# Altium PCB DI543.PcbDoc (part 2 of 8) (continued)
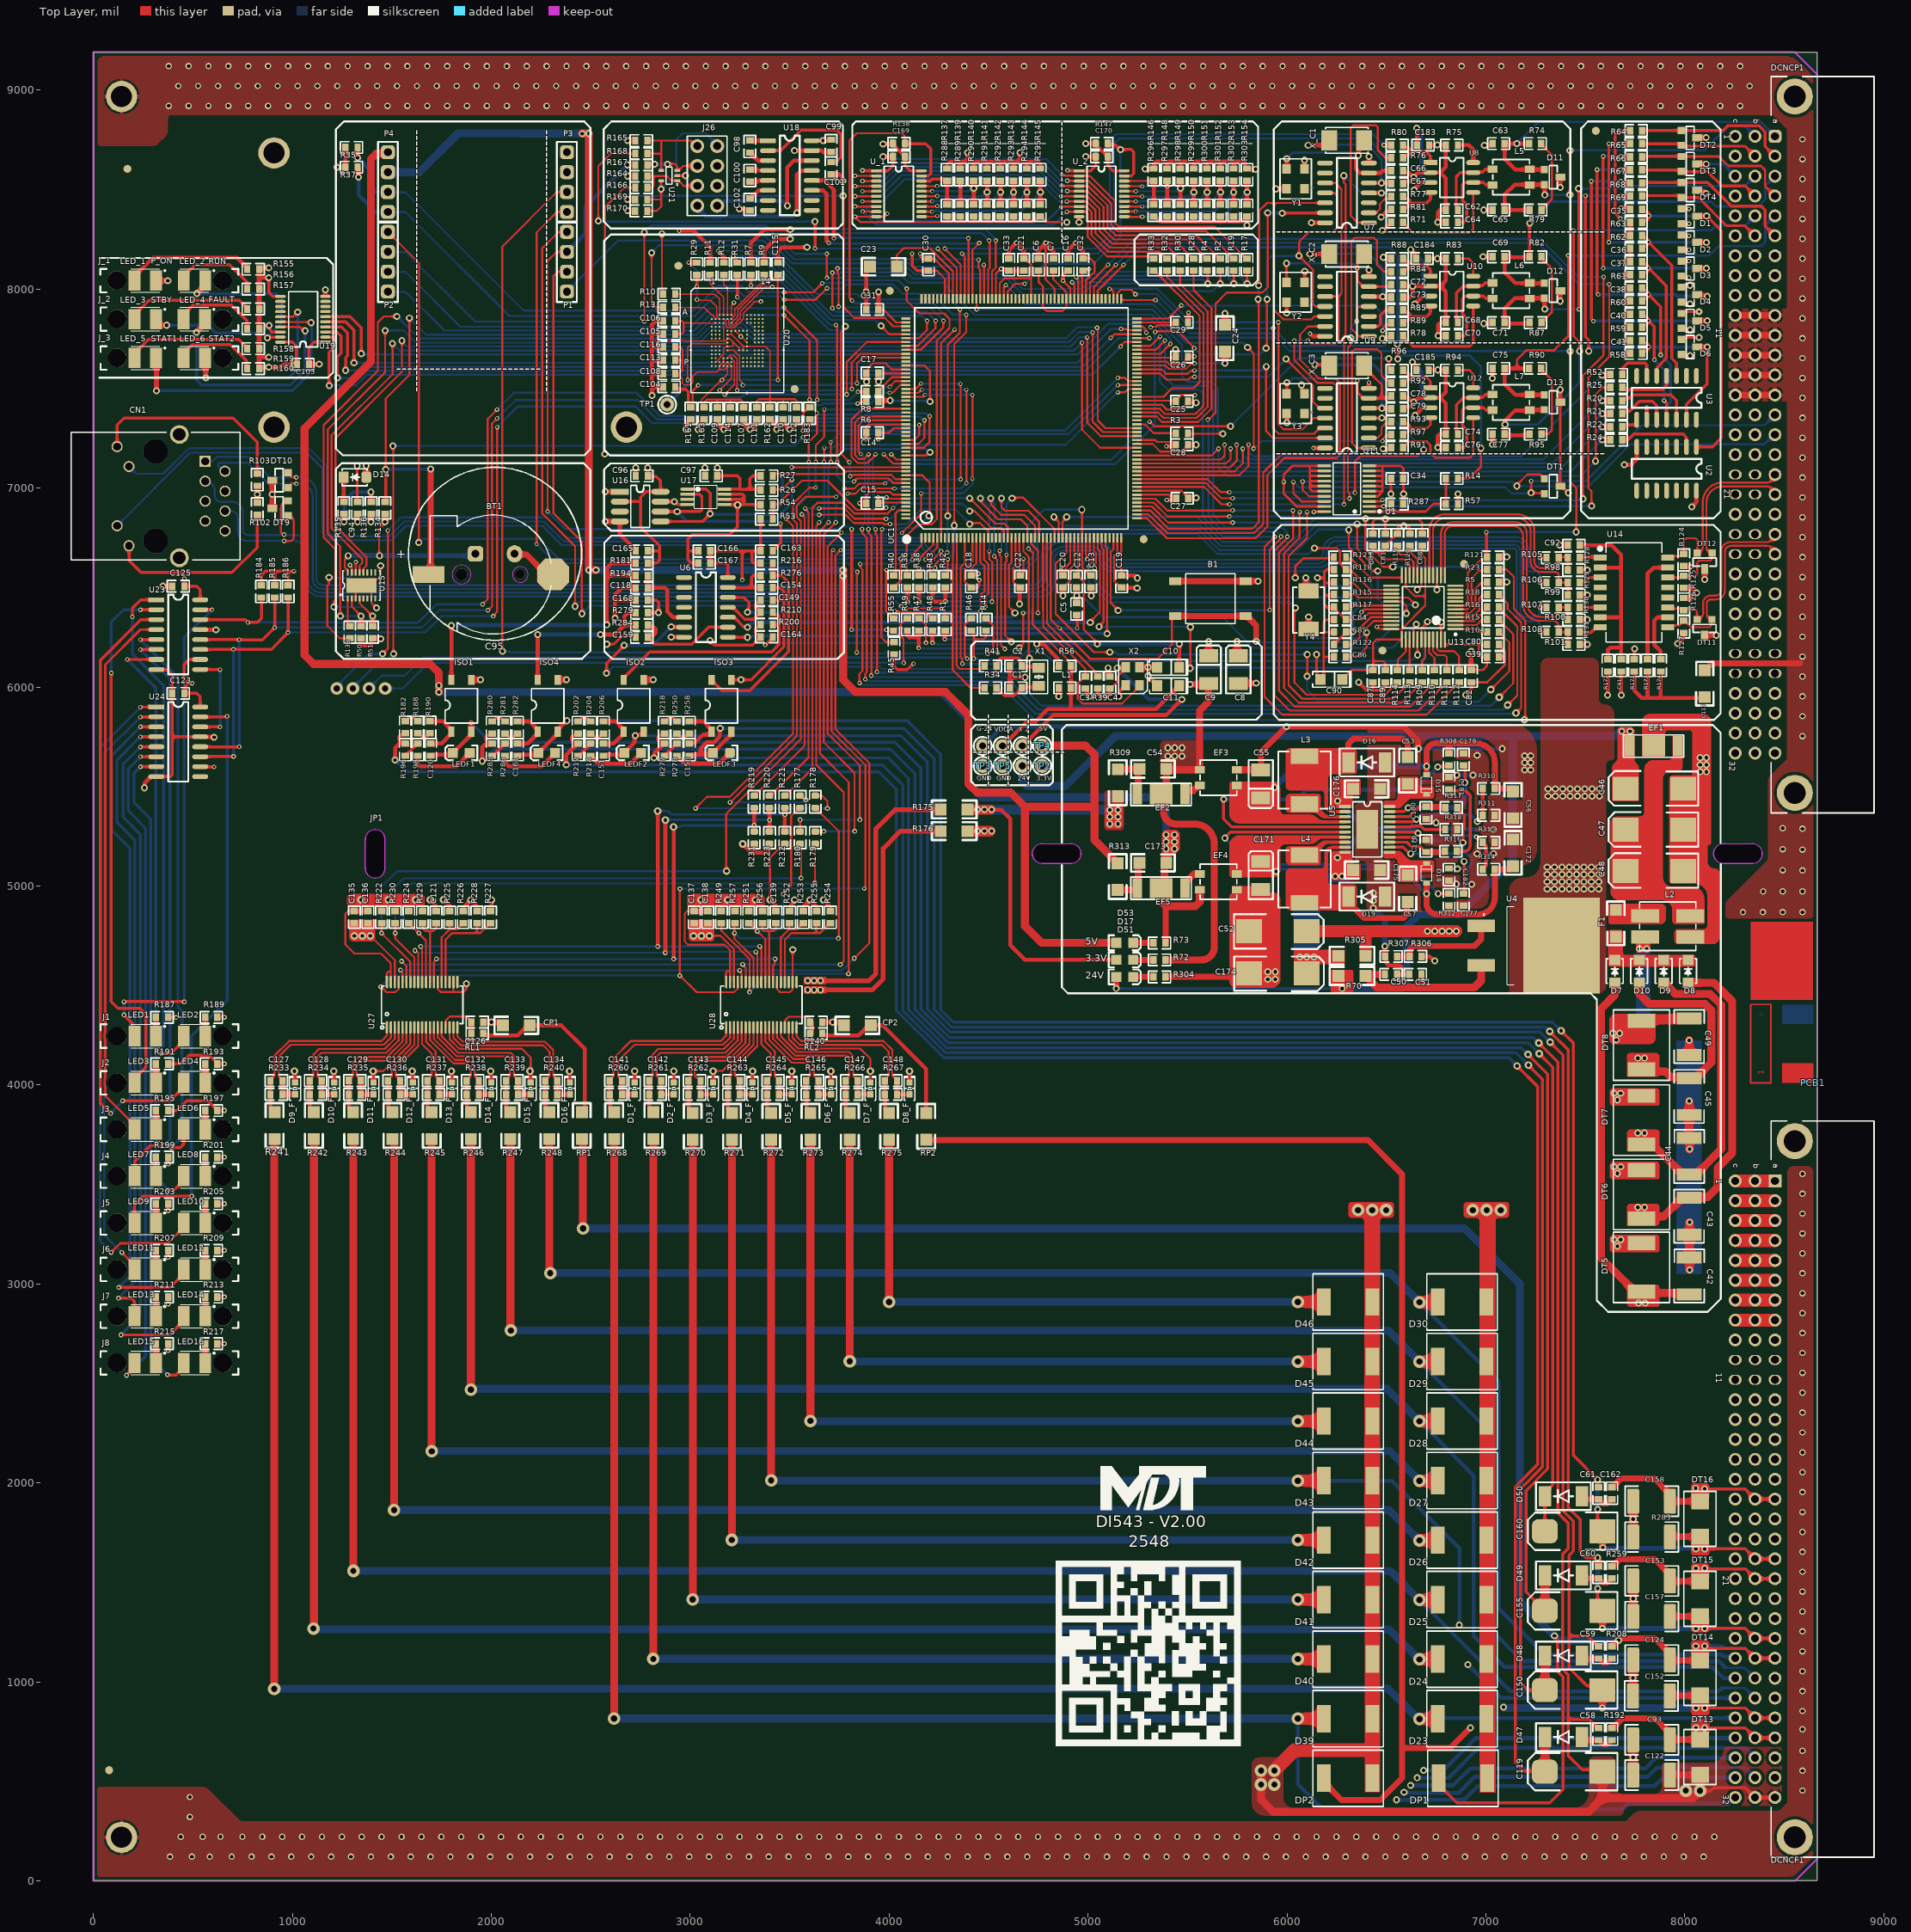
[diagram p0: Top Layer view]
## Footprints (in the part's own frame and the unit in brackets; to place one, negate y for a bottom-side part, rotate by r counter-clockwise, add the part's x,y. Pads: shape width x height; smd on the part's side, far side on the other; paste and mask are expansions set on the pad) (continued)
SO14 [mil]
  oval 80x24 smd: 1(0.42,-0.47) 2(0.42,-50.47) 3(0.42,-100.47) 4(0.42,-150.47) 5(0.42,-200.47) 6(0.42,-250.47) 7(0.42,-300.47) 8(220.42,-300.47) 9(220.42,-250.47) 10(220.42,-200.47) 11(220.42,-150.47) 12(220.42,-100.47) 13(220.42,-50.47) 14(220.42,-0.47)
  silkscreen extent 60,-325 160,25, body extent -10,-323 232,19, height 70
SO16 [mil]
  rect 80x24 smd: 1(-0.22,0.21)
  oval 80x24 smd: 2(-0.22,-49.79) 3(-0.22,-99.79) 4(-0.22,-149.79) 5(-0.22,-199.79) 6(-0.22,-249.79) 7(-0.22,-299.79) 8(-0.22,-349.79) 9(219.78,-349.79) 10(219.78,-299.79) 11(219.78,-249.79) 12(219.78,-199.79) 13(219.78,-149.79) 14(219.78,-99.79) 15(219.78,-49.79) 16(219.78,0.21)
  silkscreen extent 60,-375 160,25, body extent -10,-371 222,22, height 57
SOD-323F [mm]
  rect 0.63x0.83 smd: A(0,0) K(2.5,0)
  silkscreen extent 0.3,-0.7 2.2,0.7, body extent -0.01,-0.7 2.49,0.65, height 1
SOIC8 [mil]
  rect 70x25 smd: 1(0,0)
  oval 70x25 smd: 2(0,-50) 3(0,-100) 4(0,-150) 5(215,-150) 6(215,-100) 7(215,-50) 8(215,0)
  silkscreen extent 48,-174 167,24, body extent -10,-173 228,20, height 59
SON_131TFY_NXP [mil]
  rect 32x10 smd paste+0 mask+0: 1(-65,68.91) 2(-65,49.23) 3(-65,29.54) 4(-65,9.85) 5(-65,-9.85) 6(-65,-29.54) 7(-65,-49.22) 8(-65,-68.91) 9(65,-68.91) 10(65,-49.22) 12(65,-9.85) 13(65,9.85) 14(65,29.54) 15(65,49.23)
  rrect50% 32x10 smd paste+0 mask+0: 11(65,-29.54) 16(65,68.91)
  rect 75x152 smd paste+0 mask+0: 17(0,0)
  silkscreen extent -74,-94 74,109, body extent -69,-89 69,89, height 59
SOT23 [mil]
  rect 36x36 smd: 1(0,0) 2(0,-75)
  rect 50x36 smd: 3(80,-37.5)
  silkscreen extent 25,-96 65,20, body extent -9,-99 89,19, height 41
SOT-353 [mm]
  rect 0.7x0.35 smd mask+0.051: 1(0,0) 2(0,-0.65) 3(0,-1.3) 4(2.05,-1.3) 5(2.05,0)
  silkscreen extent -0.11,-1.75 1.41,0.62, body extent -0.18,-1.75 2.22,0.45, height 1.1
SSOP38 [mm]
  oval 1.6x0.3 smd mask+0.075: 1(-2.9,4.5) 2(-2.9,4) 3(-2.9,3.5) 4(-2.9,3) 5(-2.9,2.5) 6(-2.9,2) 7(-2.9,1.5) 8(-2.9,1) 9(-2.9,0.5) 10(-2.9,0) 11(-2.9,-0.5) 12(-2.9,-1) 13(-2.9,-1.5) 14(-2.9,-2) 15(-2.9,-2.5) 16(-2.9,-3) 17(-2.9,-3.5) 18(-2.9,-4) 19(-2.9,-4.5) 20(2.9,-4.5) 21(2.9,-4) 22(2.9,-3.5) 23(2.9,-3) 24(2.9,-2.5) 25(2.9,-2) 26(2.9,-1.5) 27(2.9,-1) 28(2.9,-0.5) 29(2.9,0) 30(2.9,0.5) 31(2.9,1) 32(2.9,1.5) 33(2.9,2) 34(2.9,2.5) 35(2.9,3) 36(2.9,3.5) 37(2.9,4) 38(2.9,4.5)
  silkscreen extent -3.1,-5.2 2.4,5.3, body extent -3.21,-4.85 3.21,4.85, height 1.2
"SUPER CAP TH D20.00mm S5.00mm H6.00mm" [mm]
  rrect50% 2x2 hole 1: 1(2.5,0)
  oval 2x2.2 hole 1: 2(-2.5,0)
  silkscreen extent -11.05,-11.05 11.05,11.05, body extent -10.57,-10.49 10.22,10.3, height 7.5
"TANTAL 1206" [mm] "TANTAL1206"
  rect 1.3x1.4 smd: 1(-0.073,0.008) 2(2.737,0.008)
  silkscreen extent -1.16,-0.99 3.74,1.01, body extent -0.38,-0.84 3.05,0.86, height 1.7
"TEST Point Orange" [mm] "TEST Point Orange"
  round 1.8 hole 0.9: 1(3.81,-3.175)
  silkscreen extent 2.67,-4.32 4.95,-2.04, body extent 2.54,-4.44 5.08,-1.9, height 4.57
"TEST Point RED"#1 [mm] "TEST Point RED"
  round 1.8 hole 0.9: 1(3.81,-3.175)
  silkscreen extent 2.67,-4.32 4.95,-2.04, body extent 2.51,-4.43 5.05,-1.89, height 4.89
"TEST Point RED"#2 [mm] "TEST Point RED"
  oval 1.7x1.8 hole 0.9: 1(3.81,-3.175)
  silkscreen extent 2.67,-4.32 4.95,-2.04
"TEST Point Yellow"#1 [mm] "TEST Point Yellow"
  round 1.8 hole 0.9: 1(3.81,-3.175)
  silkscreen extent 2.67,-4.32 4.95,-2.04
"TEST Point Yellow"#2 [mm] "TEST Point Yellow"
  oval 1.7x1.8 hole 0.9: 1(3.81,-3.175)
  silkscreen extent 2.67,-4.32 4.95,-2.03, body extent 2.54,-4.44 5.08,-1.9, height 4.57
TSSOP20 [mm]
  rect 1.35x0.4 smd: 1(0,0)
  oval 1.35x0.4 smd: 2(0,-0.65) 3(0,-1.3) 4(0,-1.95) 5(0,-2.6) 6(0,-3.25) 7(0,-3.9) 8(0,-4.55) 9(0,-5.2) 10(0,-5.85) 11(5.75,-5.85) 12(5.75,-5.2) 13(5.75,-4.55) 14(5.75,-3.9) 15(5.75,-3.25) 16(5.75,-2.6) 17(5.75,-1.95) 18(5.75,-1.3) 19(5.75,-0.65) 20(5.75,0)
  silkscreen extent 1,-6.45 4.7,0.6, body extent -0.38,-6.2 6.02,0.3, height 1.2
TSSOP20-21 [mm]
  rect 1.5x0.4 smd: 1(0,0)
  oval 1.5x0.4 smd: 2(0,-0.65) 3(0,-1.3) 4(0,-1.95) 5(0,-2.6) 6(0,-3.25) 7(0,-3.9) 8(0,-4.55) 9(0,-5.2) 10(0,-5.85) 11(5.7,-5.85) 12(5.7,-5.2) 13(5.7,-4.55) 14(5.7,-3.9) 15(5.7,-3.25) 16(5.7,-2.6) 17(5.7,-1.95) 18(5.7,-1.3) 19(5.7,-0.65) 20(5.7,0)
  rect 2.74x4.95 smd: 21(2.845,-2.921)
  silkscreen extent 1,-6.45 4.7,0.6, body extent -0.36,-6.17 6.04,0.33, height 1.2
"Xtal 32.78" [mil] "Xtal 32.78"
  rect 51x63 smd: 1(-46.28,1) 2(44.28,1)
  silkscreen extent -86,-44 84,46, body extent -58,-27 68,32, height 35

## Part data
24V G-24 TP1: library part 10020359, "PCB Test Piont, Yellow", Manufacturer="Keystone Electronics", PartNumber=5009, Notes=NP, SAPCode=10020359, Type=DIP
B1: library part 10018008, "Pushbutton 50mA F065 4.3mm Gull Wing", Manufcturer=E-Switch, PartNumber=LL3301NF065QG, SAPCode=10018008, Type=SMD
BT1: library part 10018009, "SMT COIN CELL HOLDER CR1220", Manufacturer=Harwin, PartNumber=S8411-45R, SAPCode=10018009, Type=SMD
C1 C2: library part 10008959, "Capacitor, Ceramic, 1pF,50V", Manufacturer="Murata Manufacturing Company, Ltd.", Package=0603, PartNumber=GRM1885C1H1R0CZ01D, SAPCode=10008959, Type=SMD
C3 C4: library part 10018011, "Ceramic Capacitors, 0603 5.6pF 250V", Manufacturer="Murata Manufacturing Company, Ltd.", Package=0603, PartNumber=GQM1875C2E5R6CB12D, SAPCode=10018011, Type=SMD
C5 C7 C12 C13 C14 C15 C16 C17 C18 C19 C20 C21 C22 C25 C26 C27 C28 C29 C30 C31 C32 C33 C34 C35 C36 C37 C38 C39 C40 C41 C50 C51 C58 C59 C60 C61 C80 C81 C82 C83 C84 C87 C88 C89 C94 C96 C97 C98 C99 C100 C101 C102 C106 C107 C108 C109 C111 C112 C114 C115 C116 C120 C121 C123 C125 C127 C128 C129 C130 C131 C132 C133 C134 C136 C138 C139 C141 C142 C143 C144 C145 C146 C147 C148 C151 C156 C161 C163 C164 C165 C166 C167 C168 C169 C170: library part 10008932, "Capacitor, Ceramic, 100nF, 50V", Manufacturer="Murata Manufacturing Company, Ltd.", Package=0603, PartNumber=GRM188R71H104KA93D, SAPCode=10008932, Type=SMD
C6: library part 10024198, "Capacitor, Ceramic, SMD 0603 50Vdc 2.2uF 10%", Manufacturer="Murata Manufacturing Company, Ltd.", Package=0603, PartNumber=GRT188R61H225KE13D, SAPCode=10024198, Type=SMD
C8 C9: library part 10010245, "Capacitor, Tantalum, 4.7uF, 35V", Manufacturer="AVX Corporation", Package=1210(3528-21), PartNumber=TPSB475K035R0700, SAPCode=10010245, Type=SMD
C10 C11: library part 10017062, "Capacitor, SMD, 1uF,1206,TANTAL", Manufacturer="KEMET Corporation", Package=1206, PartNumber=T491A104K035AT, SAPCode=10017062, Type=SMD
C23 C24: library part 10008963, "Capacitor, Ceramic, 2.2uF, 25V", Manufacturer="TDK U.S.A. Corporation", Package=1206, PartNumber=C3216X7R1E225K, SAPCode=10008963, Type=SMD
C42 C43 C44 C45 C49 C93 C122 C124 C152 C153 C157 C158 C162: library part 10008971, "Capacitor, Ceramic, 4.7nF, 2KV", Manufacturer="Johanson Dielectrics", Package=1812, PartNumber=202S43W472KV4E, SAPCode=10008971, Type=SMD
C46 C47: library part 10008985, "Capacitor, Tantalum, 15uF, 50V", Manufacturer="KEMET Corporation", Package=2917(7343), PartNumber=T495X156K050ATE300, BOM Ignore 1=Populated, BOM Ignore 2=Populated, SAPCode=10008985, Type=SMD
C48: library part 10008984, "Capacitor, Tantalum, 10uF, 50V", Manufacturer="KEMET Corporation", Package=2917(7343), PartNumber=T491X106M050ZT, BOM Ignore 1=Populated, BOM Ignore 2=Populated, SAPCode=10008984, Type=SMD
C52: library part 10008981, "Capacitor, Tantalum, 100uF, 25V", Manufacturer="AVX Corporation", Package=2917(7343), PartNumber=TAJE107M025RNJ, SAPCode=10008981, Type=SMD
C53 C57: library part 10008974, "Capacitor, Ceramic, 470nF, 25V", Manufacturer="TDK U.S.A. Corporation", Package=1206, PartNumber=C3216X7R1E474K/1.60, SAPCode=10008974, Type=SMD
C54 C173 C175 C176: library part 10008968, "Capacitor, Ceramic, 3.3uF, 25V", Manufacturer="TDK U.S.A. Corporation", Package=1206, PartNumber=C3216X5R1E335K/1.60, SAPCode=10008968, Type=SMD
C55 C171: library part 10008982, "Capacitor, Tantalum, 100uF, 6.3V", Manufacturer="AVX Corporation", Package=1210(3528), PartNumber=TPSB107K006R0250, SAPCode=10008982, Type=SMD
C56 C172: library part 10008960, "Capacitor, Ceramic, 1uF, 25V", Manufacturer="TDK U.S.A. Corporation", Package=1206, PartNumber=C3216X7R1E105M, SAPCode=10008960, Type=SMD
C62 C63 C64 C65 C66 C67 C68 C69 C70 C71 C72 C73 C74 C75 C76 C77 C78 C79 C85 C86 C179 C180: library part 10008966, "Capacitor, Ceramic, 22pF,50V", Manufacturer="Murata Manufacturing Company, Ltd.", Package=0603, PartNumber=GRM1885C1H220JA01D, SAPCode=10008966, Type=SMD
C90: library part 10010691, "Capacitor,TANT,10uF,16V,1206", Manufacturer=VISHAY, Package=1206, PartNumber=293D106X5016A2WE3, SAPCode=10010691, Type=SMD
C91 C92 C118 C149 C154 C159: library part 10008934, "Capacitor, Ceramic, 10nF ,50V", Manufacturer="Murata Manufacturing Company, Ltd.", Package=0603, PartNumber=GRM188R71H103KA01D, SAPCode=10008934, Type=SMD
C95: library part 10036803, "KVR Supercapacitors-Coin cells", PartNumber=KVR-5R0C155-R, SAPCode=10036803, Type=THD
C103 C177 C178 C183 C184 C185: library part 10008931, "Capacitor, Ceramic, 100nF , 16V", Manufacturer="Murata Manufacturing Company, Ltd.", Package=603, PartNumber=GRM188R71C104KA01D, SAPCode=10008931, Type=SMD
C104 C126 C140: library part 10008958, "Capacitor, Ceramic, 1nF,50V", Manufacturer="Murata Manufacturing Company, Ltd.", Package=0603, PartNumber=GRM188R71H102KA01D, SAPCode=10008958, Type=SMD
C105 C135 C137: library part 10017066, "Capacitor, Ceramic 1uF,0603,25V", Manufacturer="Venkel Ltd", Package=0603, PartNumber=TMK107BJ105KA-T, SAPCode=10017066, Type=SMD
C110 C113: library part 10013225, "Capacitor, Ceramic, 4.7uF, 50V", Manufacturer="Murata Manufacturing Company, Ltd.", Package=0603, PartNumber=GRM188R6YA475KE15, SAPCode=10013225, Type=SMD
C117: library part 10010893, "Capacitor,MLCC,1000pF,2KV", Manufacturer="AVX Corporation", Package=1206, PartNumber=1206GC102KAT1A, SAPCode=10010893, Type=SMD
C119 C150 C155 C160: library part 10019521, "Capacitor, Tantalum, 22uF, 35V", Manufacturer=KEMET, Package=7343, PartNumber=T491X226M035AT, SAPCode=10019521, Type=SMD
C174: library part 10008989, "Capacitor, Tantalum, 33uF, 25V", Manufacturer="AVX Corporation", Package=2917(7343), PartNumber=TPSD336M025R0200, SAPCode=10008989, Type=SMD
C181: library part 10008969, "Capacitor, Ceramic, 330pF,50V", Manufacturer="Murata Manufacturing Company, Ltd.", Package=0603, PartNumber=GRM188R71H331KA01D, SAPCode=10008969, Type=SMD
C182: library part 10008964, "Capacitor, Ceramic, 220pF,50V", Manufacturer="Murata Manufacturing Company, Ltd.", Package=0603, PartNumber=GRM1885C1H221JA01D, SAPCode=10008964, Type=SMD
CN1: library part 10018015, "Modular SINGLE PORT Ethernet Con.", Manufacturer=Pulse, PartNumber=J0011D21BNL, SAPCode=10018015
CP1 CP2: library part 10008973, "Capacitor, Ceramic, 4.7uF, 50V", Manufacturer="KEMET Corporation", Package=1206, PartNumber=C1206C475K5PACTU, SAPCode=10008973, Type=SMD
D1 D2 D3 D4 D5 D6: library part 10009013, "Diode, SCHOTTKY, 40V, 0.3A, DUAL", Manufacturer=STMicroelectronics, Package=SOT23, PartNumber=BAT54SFILM, SAPCode=10009013, Type=SMD
D1_F D2_F D3_F D4_F D5_F D6_F D7_F D8_F D9_F D10_F D11_F D12_F D13_F D14_F D15_F D16_F: library part 10027338, "LED 0603 Green,Standard LEDs - SMD Green Clear 571nm 0603 20mA", Manufacturer=Lite-ON, Package=0603, PartNumber=LTST-C191KGKT, Revision="July-2002: Re-released for DXP Platform.", SAPCode=10027338, Type=SMD
D7 D8 D9 D10 D14: library part 10009015, "DIODE, SCHOTTKY, 40V, 1.1A", Manufacturer=VISHAY, Package=DO219AB(SMF), PartNumber=SL04-GS08, SAPCode=10009015, Type=SMD
  D14: BOM Ignore 1=Populated, BOM Ignore 2=Populated
D11 D12 D13 DT1 DT2 DT3 DT4: library part 10009023, "Diode, TVS, BUS Protector, Dual", Manufacturer="ON semi", Package=SOT23, PartNumber=NUP2105LT1G, SAPCode=10009023, Type=SMD
D15 D18: library part 10009014, "DIODE, SCHOTTKY, 40V, 0.5A", Manufacturer="NXP Semiconductors", Package=SOD323F, PartNumber=PMEG4005AEA,115, SAPCode=10009014, Type=SMD
D16 D19: library part 10009017, "Diode, SCHOTTKY, 60V, 3A", Manufacturer="DIODES Incorporated", Package=DO214AC, PartNumber=B360A-13-F, SAPCode=10009017, Type=SMD
D17 D53: library part 10009109, "LED MINI TOPLED 570NM Green", Manufacturer=Osram, Package=0805, PartNumber="LG M67K-H1J2-24-Z", BOM Ignore 1=Populated, BOM Ignore 2=Populated, SAPCode=10009109, Type=SMD
D23 D24 D25 D26 D27 D28 D29 D30 D39 D40 D41 D42 D43 D44 D45 D46 DP1 DP2 DT5 DT6 DT7 DT8: library part 10009020, "Diode, TVS, 36V, 1500W, BI-DIR", Manufacturer="Bourns Inc", Package=DO214AB(SMC), PartNumber=SMCJ36CA, SAPCode=10009020, Type=SMD
D47 D48 D49 D50: library part 10009009, "Diode, 1000V, 1.5A", Manufacturer=VISHAY, Package=DO214AC, PartNumber=BYG10M-E3, SAPCode=10009009, Type=SMD
D51 LEDF1 LEDF2 LEDF3 LEDF4: library part 10009110, "LED 606NM Orange", Manufacturer=Osram, Package=0805, PartNumber="LO M676-Q2S1-24-Z", SAPCode=10009110, Type=SMD
DCNCF1 DCNCP1: library part 10011744, "CONNECTOR, DIN, TYPE C, MALE,RA,TH,96PIN", Manufacturer=Erni, Package=TH, PartNumber=533202, SAPCode=10011744, Type=TH
  DCNCF1: BOM Ignore 1=Populated, BOM Ignore 2=Populated
DT9 DT10 DT11 DT12: "Diode, TVS, BUS Protector, Dual", Manufacturer="ON semi", Package=SOT23, PartNumber=NUP2105LT1G, SAPCode=10009023, Type=SMD
DT13 DT14 DT15 DT16: library part 10009021, "Diode, TVS, 36V, 600W, BI-DIR", Manufacturer="Bourns Inc", Package=DO214AA, PartNumber=SMBJ36CA, SAPCode=10009021, Type=SMD
EF1 EF2 EF5: library part 10009027, "EMI-Filter, LC, HF, 1000pF", Manufacturer="Murata Manufacturing Company, Ltd.", Package=SMD, PartNumber=NFE61PT102E1H9, SAPCode=10009027, Type=SMD
  EF1: BOM Ignore 1=Populated, BOM Ignore 2=Populated
EF3 EF4 L5 L6 L7: library part 10009619, "CHOKE, COMMON-MODE, 600 OHM", Manufacturer="TDK U.S.A. Corporation", Package=SMD, PartNumber=ACM4520-142-2P-T000, SAPCode=10009619, Type=SMD
F1: library part 10010477, "FUSE,FAST,2A,63VDC", Manufacturer=BUSSMAN, Package=1206, PartNumber=TR/3216FF2-R, SAPCode=10010477, Type=SMD
ISO1 ISO2 ISO3 ISO4: library part 10009117, "Optocoupler, Phototransistor", Manufacturer=AVAGO, Package=SO4, PartNumber=HCPL-181-00CE, SAPCode=10009117, Type=SMD
J1 J2 J3 J4 J5 J6 J7 J8 J_1 J_2 J_3: library part 10012028, "mentor 2-fold Light Guides, horizontal", Manufacturer="MENTOR GmbH & Co.", PartNumber=1270.1001, SAPCode=10012028, Type=TH, Vendor="Mentor GMBH", Vendor PN=1270.1001
J26: library part "Header 2x4/F/TH/2.54", "Header, 2x4, Female, Straight, .100\"", Manufacturer=-, Package=TH, PartNumber=-, SAPCode=10009033, Type=TH
JP1: library part "pcb plastic guard", "pcb plastic guard", Note=NP
L1: library part 10013269, "Ferrite Bead BLM18, 600ohm±25%, 200mA", Package=SMD, PartNumber=BLM18BD601SN1, SAPCode=10013269, Type=SMD
L2: library part 10010476, "Choke,COMMON-MODE,600Ohm,3A", Manufacturer="TDK U.S.A. Corporation", Package=SMD, PartNumber=ACM7060-301-2PL-TL01, SAPCode=10010476, Type=SMD
L3: library part 10009103, "Inductor, 4.7uH, 5.5A", Manufacturer=VISHAY, Package=SMD, PartNumber=IHLP2525CZER4R7M01, SAPCode=10009103, Type=SMD
L4: library part 10009102, "Inductor, 3.3uH, 6A", Manufacturer=VISHAY, Package=SMD, PartNumber=IHLP2525CZER3R3M01, SAPCode=10009102, Type=SMD
LED1 LED2 LED3 LED4 LED5 LED6 LED7 LED8 LED9 LED10 LED11 LED12 LED13 LED14 LED15 LED16 LED_1 LED_2 LED_3 LED_4 LED_5 LED_6: library part 10012933, "LED, SMD, Package PLCC-2,Green", Manufacturer="Osram Opto Semiconductors", PartNumber="LG T670", SAPCode=10012933, Type=SMD, Vendor=OSRAM, Vendor PN="LG T670"
P1 P2 P3 P4: library part 10016151, "Header 1x4, Male, 2.54mm", Manufacturer="Wurth Electronics Inc", Package=THD, PartNumber=61300411121, SAPCode=10016151, Type=THD
PCB1: library part LayerN, "PCB LAYERS"
R1 R3 R6 R7 R8 R9 R10 R11 R12 R13 R14 R20 R21 R22 R24 R25 R29 R31 R34 R36 R38 R39 R40 R41 R42 R43 R44 R46 R47 R48 R49 R52 R56 R71 R75 R76 R77 R78 R79 R80 R81 R83 R84 R85 R87 R88 R89 R91 R92 R93 R94 R95 R96 R97 R105 R106 R107 R108 R122 R128 R129 R130 R131 R133 R134 R162 R163 R171 R172 R177 R178 R179 R180 R183 R192 R208 R219 R220 R221 R259 R283 R287 R288 R289 R290 R291 R292 R293 R294 R295 R296 R297 R298 R299 R300 R301 R302 R303 RL1 RL2: library part 10009127, "Resistor, 0R, package 603", Manufacturer=Panasonic, Package=0603, PartNumber=-, SAPCode=10009127, Type=SMD
  R134: Notes=NP
R2 R4 R5 R15 R16 R17 R18 R19 R23 R28 R30 R32 R33 R104 R109 R110 R111 R112 R113 R114: library part 10009176, "Resistor, 33R", Manufacturer=Panasonic, Package=0603, PartNumber=-, SAPCode=10009176, Type=SMD
R26 R35 R50 R57 R137 R139 R140 R141 R142 R143 R144 R145 R146 R148 R149 R150 R151 R152 R153 R154: library part 10009179, "Resistor,4.7K, Package 0603,1%, Type SMD", Manufacturer=Panasonic, Package="RES 0603", PartNumber=-, SAPCode=10009179, Type=SMD
R27 R37 R51 R164 R165 R170 R222 R223 R224 R229 R230 R231 R232 R249 R251 R256 R257 R304: library part 10009179, "Resistor,4.7K, Package 0603,1%, Type SMD", Manufacturer=Panasonic, Package=0603, PartNumber=-, SAPCode=10009179, Type=SMD
R45 R53 R54 R55 R138 R147 R161 R181 R200 R216 R279: library part 10009136, "Resistor, 10K, 1%", Manufacturer=Panasonic, Package=0603, PartNumber=-, SAPCode=10009136, Type=SMD
  R54: Notes=NP
R58 R59 R60 R61 R62 R63: library part 10016806, "Resistor SMD 3.3K OHM 1% 1/10W 0603", Manufacturer=Panasonic, Package=0603, PartNumber=ERJ-3EKF3301V, SAPCode=10016806, Type=SMD
R64 R65 R66 R67 R68 R69 R135 R136: library part 10009135, "Resistor, 100R, 1%", Manufacturer=Panasonic, Package=0603, PartNumber=-, SAPCode=10009135, Type=SMD
R70 R175 R176 R305 R309 R313: library part 10009128, "Resistor, 0R, package 1206", Manufacturer=Panasonic, Package=1206, PartNumber=-, SAPCode=10009128, Type=SMD
R72 R73 R184 R185 R186 R194 R210 R225 R226 R227 R228 R252 R253 R254 R255 R276 R284 R306: library part 10009149, "Resistor, 1K, 1%", Manufacturer=Panasonic, Package=0603, PartNumber=-, SAPCode=10009149, Type=SMD
R74 R82 R90: library part 10016220, "Resistor SMD 120 OHM 1% 1/10W 0603", Manufacturer=VISHAY, Package=0603, PartNumber=CRCW0603120RFKEB, SAPCode=10016220, Type=SMD
R98 R99 R100 R101 R124 R125 R126 R127: library part 10015087, "Resistor 49.9Ohm 1% 0.1W 100ppm/C, 0603", Manufacturer="Yageo Corporation", Package=0603, PartNumber=RC0603FR-0749R9L, SAPCode=10015087, Type=SMD
R102 R103: library part 10016037, "Resistor SMD 240 OHM 1% 1/10W 0603", Manufacturer="Yageo Corporation", Package=0603, PartNumber=RC0603FR-07240RL, SAPCode=10016037, Type=SMD
R115 R116 R118 R119 R120: library part 10009152, "Resistor, 2.2K", Manufacturer=Panasonic, Package=0603, PartNumber=-, SAPCode=10009152, Type=SMD
R117 R121 R182 R188 R190 R196 R198 R202 R204 R206 R212 R214 R218 R250 R258 R277 R278 R280 R281 R282 R285 R286: library part 10009132, "Resistor,1.5K, Package 0603,1%, Type SMD", Manufacturer=Panasonic, Package=0603, PartNumber=-, SAPCode=10009132, Type=SMD
R123: library part 10015952, "Resistor SMD 4.87K OHM 1% 1/10W 0603", Manufacturer="Yageo Corporation", Package=0603, PartNumber=RC0603FR-074K87L, SAPCode=10015952, Type=SMD
R155 R156 R157 R158 R159 R160 R187 R189 R191 R193 R195 R197 R199 R201 R203 R205 R207 R209 R211 R213 R215 R217: library part 10009197, "Resistor, 680R", Manufacturer=Panasonic, Package=0603, PartNumber=-, SAPCode=10009197, Type=SMD
R166 R167 R168 R169: library part 10009161, "Resistor, 22R", Manufacturer=Panasonic, Package=0603, PartNumber=-, SAPCode=10009161, Type=SMD
R173 R174: library part 10017029, "Resistor,68R,0603,SMD", Manufacturer=RC0603FR-0768RL, Package=0603, PartNumber="Yageo Corporation", SAPCode=10017029, Type=SMD
R233 R234 R235 R236 R237 R238 R239 R240 R260 R261 R262 R263 R264 R265 R266 R267: library part 10009148, "Resistor, 16K, 1%", Manufacturer=Panasonic, Package=0603, PartNumber=-, SAPCode=10009148, Type=SMD
R241 R242 R243 R244 R245 R246 R247 R248 R268 R269 R270 R271 R272 R273 R274 R275 RP1 RP2: library part 10029518, "Anti-Surge Thick Film Chip Resistor, 1206, 0.66W", Manufacturer=Panasonic, PartNumber=ERJP08D1001V, SAPCode=10029518, Type=SMD
R307: library part 10009145, "Resistor, 15K, 1%", Manufacturer=Panasonic, Package=0603, PartNumber=-, SAPCode=10009145, Type=SMD
R308 R312: library part 10009134, "Resistor, 100K, 1%", Manufacturer=Panasonic, Package=0603, PartNumber=-, SAPCode=10009134, Type=SMD
R310: library part 10009162, "Resistor, 24.9K, 1%", Manufacturer=Panasonic, Package=0603, PartNumber=-, SAPCode=10009162, Type=SMD
R311 R315: library part 10009202, "Resistor, 8.06K, 1%", Manufacturer=Panasonic, Package=0603, PartNumber=-, SAPCode=10009202, Type=SMD
R314: library part 10009182, "Resistor, 42.2K, 1%", Manufacturer=Panasonic, Package=0603, PartNumber=-, SAPCode=10009182, Type=SMD
R316: library part 10009171, "Resistor, 31.6K, 1%", Manufacturer=Panasonic, Package=0603, PartNumber=-, SAPCode=10009171, Type=SMD
R317: library part 10009205, "Resistor, 84.5K, 1%", Manufacturer=Panasonic, Package=0603, PartNumber=-, SAPCode=10009205, Type=SMD
R318: library part 10009195, "Resistor, 61.9K, 1%", Manufacturer=Panasonic, Package=0603, PartNumber=-, SAPCode=10009195, Type=SMD
TP2: library part 10020358, "PCB Test Piont, Orange", Manufacturer="Keystone Electronics", PartNumber=5008, Notes=NP, SAPCode=10020358, Type=DIP
TP3 TP4 TP5 VDDA "X 2": library part 10020355, "PCB Test Piont, Red", Manufacturer="Keystone Electronics", PartNumber=5005, SAPCode=10020355, Type=DIP
  TP4 VDDA "X 2": Notes=NP
U1: library part 74245, "Octal Bus Transceiver with 3-State Outputs", Manufacturer=TI, Package=TSSOP-20, PartNumber=SN74LVC245A, SAPCode=10009068, Type=SMD
U2 U3: library part 10009071, "IC, LOGIC, HEX SCHMITT-TRIG, INV", Manufacturer="Texas Instruments Inc. (TI)", Package=SOIC14, PartNumber=SN74LV14ADR, SAPCode=10009071, Type=SMD
U4: library part 10031725, "1.2 V to 37 V adjustable voltage regulators", Manufacturer="ST Semiconductor", Package="D2PAK (TO252)", PartNumber=LM317D2T-TR, SAPCode=10031725, Type=SMD
U5: library part 10009042, "IC, BUCK DC-DC CONV, Dual, ADJ, 3A", Manufacturer="Linear Technology Corporation", Package=TSSOP20-21, PartNumber=LT3501EFE#PBF, SAPCode=10009042, Type=SMD
U6: library part 10009069, "IC, LOGIC, CMOS, HEX SCHMITT TRIGGER", Manufacturer="Texas Instruments Inc. (TI)", Package=SOIC14, PartNumber=CD40106BM96, SAPCode=10009069, Type=SMD
U7 U9 U11: library part 10016693, "IC, CAN FD Int. Cntrler w/SPI, SOIC-14", Manufacturer=Microchip, PartNumber=MCP2517FD-H/SL, SAPCode=10016693
U8 U10 U12: library part 10009046, "IC, CAN Transciever, 3.3V", Manufacturer="Texas Instruments Inc. (TI)", Package=SOIC8, PartNumber=SN65HVD233D, SAPCode=10009046, Type=SMD
U13: library part 10010111_1, "IC, Ethernet Transceiver,92mA,3V to 3.6V", Manufacturer="Texas Instruments Inc. (TI)", PartNumber=DP83848CVV, SAPCode=10010111, Type=SMD
U14: library part 10035889, "Signal Transformers 100BaseTX SMD NonPoE 350uH .65Ω 1-Port", Manufacturer="Pulse Electronics", Package="SMD-16 Gull Wing", PartNumber=H1102NL, SAPCode=10035889, Type=SMD
U15: library part 10036578, "RTC IC, PCF2131", Manufacturer="NXP USA Inc.", Package="16-HLSON (4.5x3.5)", PartNumber=PCF2131TFY, SAPCode=10036578, Type=SMD
U16: library part 10009057, "IC, EEPROM, 64KBIT, 400KHz", Manufacturer="ON Semiconductor", Package=SOIC8, PartNumber=CAT24C64WI-GT3, SAPCode=10009057, Type=SMD
U17: library part 10009094, "IC, TEMP Sensor, I2C Serial, 3.3V", Manufacturer="Microchip Technology Inc.", Package=MSOP8, PartNumber=TCN75-3.3MUA, SAPCode=10009094, Type=SMD
U18: library part 10009095, "IC, TX/RX RS-232, Dual, 3.3V", Manufacturer="analog device inc", Package=SOIC16, PartNumber=ADM3202ARNZ, SAPCode=10009095, Type=SMD
U19: library part 10009072, "IC, LOGIC, OCT D-LATCH, TRI-ST", Manufacturer="Texas Instruments Inc. (TI)", Package=TSSOP20, PartNumber=SN74LV573APWR, SAPCode=10009072, Type=SMD
U20: library part 10038475, Manufactoer=Kingston, Package=SMD, Pakage=SMD, PartNumber=EMMC04G-MK27-C01C, SAPCode=10038475, Type=eMMC
U21: library part 10018018, "Dual Transil array for ESD protection", Manufacturer=STMicroelectronics, Package=SOT323-5L, PartNumber=ESDALC6V1W5, SAPCode=10018018, Type=SMD
U23 U24: library part 10029098, "IC,8-bit D-latch Serial-in Parallel-out  Shift Registers SOIC16", Manufacturer="Texas Instruments", Package=SOIC16, PartNumber=SN74HC595D, SAPCode=10029098, Type=SMD
U27 U28: library part 10034526, "8 Channel Isolated Digital Input IC", Manufacturer="Texas Instruments Inc. (TI)", Package=SSOP38, PartNumber=ISO1228DFBR, SAPCode=10034526, Type=SMD
U_1 U_2: library part 10009068, "IC, LOGIC, BUS transceiver, 8BIT", Manufacturer="Texas Instruments Inc. (TI)", Package=TSSOP20, PartNumber=SN74LV245APWR, SAPCode=10009068, Type=SMD
UC1: library part 10018020, "ARM Microcontrollers - MCU 16/32B", Manufacturer=STMicroelectronics, PartNumber=STM32F769BIT6, SAPCode=10018020, Type=SMD
X1: library part 10015460, "CRYSTAL 32.7680KHZ 7PF SMD", Manufacturer="ABRACON Corporation", PartNumber=ABS07-32.768KHZ-7-T, SAPCode=10015460, Type=SMD
X2: library part 10018022, "Crystals 20MHz 18pF -20C +70C", Manufacturer="ABRACON Corporation", PartNumber=-, SAPCode=10018022, Type=SMD
X_C1 X_C2 X_C3: library part 10018023, "Crystals 20MHz 18pF -20C +70C", Manufacturer=Abracon, PartNumber=ABM3-20.000MHZ-B4Y-T, SAPCode=10018023
Y1 Y2 Y3: library part 10010656, "MINIATURE PURE SILICON CLOCK OSCILLATOR", Manufacturer="ABRACON Corporation", Package=SMD, PartNumber="ASFLMB-12MHZ-EY (2)", SAPCode=10010656, Type=SMD
Y4: library part 10008999, "Crystal, 25.0000 MHz, 18PF", Manufacturer="ECS Inc International", Package=SMD, PartNumber=ECS-250-18-23A-EN, SAPCode=10008999, Type=SMD

## Free pads (board coordinates)
  round 157.48 hole 106.3: 1(141.57,218.5) 1(141.57,8968.5) 1(908,7307) 1(908,8684.95) 1(2679.65,7307)
  round 40 smd mask+20: G(79,556) G(171,8605) G(2941.06,8118) G(3525.59,7498.03) G(4004,7992) G(5280,6743) G(6480.57,6183.84) G(6890.68,6619.28) G(7553,8796)
  round 40 smd far side mask+20: G(79,556) G(171,8605) G(7553,8796)

## Via types
v1: diameter 35, hole 18, Top Layer to Bottom Layer, tented both sides, 586 vias
v2: diameter 32, hole 18, Top Layer to Bottom Layer, tented both sides, 474 vias
v3: diameter 22, hole 12, Top Layer to Bottom Layer, tented both sides, 354 vias
v4: diameter 24, hole 12, Top Layer to Bottom Layer, tented both sides, 80 vias
v5: diameter 38, hole 18, Top Layer to Bottom Layer, tented both sides, 57 vias
v6: diameter 20, hole 12, Top Layer to Bottom Layer, tented both sides, 51 vias
v7: diameter 62.99, hole 31.5, Top Layer to Bottom Layer, tented both sides, 49 vias
v8: diameter 35, hole 19, Top Layer to Bottom Layer, tented both sides, 4 vias
v9: diameter 21, hole 12, Top Layer to Bottom Layer, tented both sides, 3 vias
v10: diameter 35, hole 12, Top Layer to Bottom Layer, tented both sides, 1 vias
v11: diameter 22.01, hole 12, Top Layer to Bottom Layer, tented both sides, 1 vias
v12: diameter 35, hole 22, Top Layer to Bottom Layer, tented both sides, 1 vias

## Nets (pads, with @x,y where several pads share a name; then routed paths per layer and width w, separated by ;. In a path a pad name is that pad's centre, name@x,y a point inside that pad or via, vN(x,y) a via of type N, cw(c..) or ccw(c..) an arc to the next point about the centre after c; other vN are vias at no path point)
24G1: C49.1 DCNCF1.A2 DCNCF1.A4 DCNCF1.A6 DCNCF1.A8 DCNCF1.B2 DCNCF1.B4 DCNCF1.B6 DCNCF1.B8 DCNCF1.C2 DCNCF1.C4 DCNCF1.C6 DCNCF1.C8 DT5.K DT6.K DT7.K DT8.K L2.2 | length 1093.6
  Top Layer w50: DT8.K@7740,4332.43 7750.43,4322 DT8.K@7782.73,4322 DT8.K@7791.85,4331.12 ; DT8.K@7793.17,4332.43 DT8.K@7791.85,4331.12 ; C49.1@8022,4335.12 8018,4331.12 DT8.K@7791.85,4331.12
  Top Layer w65: DCNCF1.C8@8253.78,2818.5 DCNCF1.B8@8353.78,2818.5 DCNCF1.A8@8453.78,2818.5 ; DCNCF1.C6@8253.78,3018.5 DCNCF1.B6@8353.78,3018.5 DCNCF1.A6@8453.78,3018.5 ; DCNCF1.C4@8253.78,3218.5 DCNCF1.B4@8353.78,3218.5 DCNCF1.A4@8453.78,3218.5 ; DCNCF1.C2@8253.78,3418.5 DCNCF1.B2@8353.78,3418.5 DCNCF1.A2@8453.78,3418.5
  other v1: 7661,3188.58 7644,3222.58 7678,3222.58 7661,3555.4 7644,3589.4 7678,3589.4 7661,3925 7644,3959 7678,3959 7656,4226 7639,4260 7673,4260 7772.64,4684.06 7809.06,4684.06
24V1: C45.1 D10.A DCNCF1.A1 DCNCF1.B1 DCNCF1.C1 DT8.A | length 1308.2
  Top Layer w40: D10.A@7771,4510 7771,4459 7822,4408 8102,4408 8134,4376 8134,4113.84 8059.99,4039.82 7931.18,4039.82 7903.53,4067.47 7793.17,4067.47 DT8.A@7782.73,4077.91
  Top Layer w65: DCNCF1.C1@8253.78,3518.5 DCNCF1.B1@8353.78,3518.5 DCNCF1.A1@8453.78,3518.5
  other v1: 7764.46,4135.01 7798.46,4135.01
24V2: C44.1 D9.A DCNCF1.A3 DCNCF1.B3 DCNCF1.C3 DT7.A | length 1769.5
  Top Layer w39.37: DT7.A@7782.73,3701.52 7798.48,3685.77 7854.28,3685.77 7980.19,3559.87 8012.69,3559.87 C44.1@8023,3549.55
  Top Layer w40: D9.A@7901.89,4506.11 D9.A@7901.89,4508.11 ; D9.A@7901.94,4508.06 7952,4458 8128,4458 8184,4402 8184,3678.05 8055.5,3549.55 C44.1@8023,3549.55
  Top Layer w65: DCNCF1.C3@8253.78,3318.5 DCNCF1.B3@8353.78,3318.5 DCNCF1.A3@8453.78,3318.5
  other v1: 7764.46,3758.62 7798.46,3758.62
24V3: C43.1 D8.A DCNCF1.A5 DCNCF1.B5 DCNCF1.C5 DT6.A | length 1872.6
  Top Layer w40: DT6.A@7782.73,3327.92 7794.23,3339.42 7894.42,3339.42 7977.77,3422.77 8012,3422.77 C43.1@8022,3432.77 ; D8.A@8017,4513.65 8146.35,4513.65 8239,4421 8239,3658 8165,3584 8165,3487 8115.06,3437.06 8024.84,3437.06 C43.1@8022,3434.23
  Top Layer w65: DCNCF1.C5@8253.78,3118.5 DCNCF1.B5@8353.78,3118.5 DCNCF1.A5@8453.78,3118.5
  other v1: 7764.46,3385.02 7798.46,3385.02
24V4: C42.1 D7.A DCNCF1.A7 DCNCF1.B7 DCNCF1.C7 DT5.A | length 2131.3
  Top Layer w40: D7.A@7649,4513.65 7649,4453 7580,4384 7580,3130 7733.46,2976.54 7767.3,2976.54 7789.29,2954.55 8017.13,2954.55 C42.1@8023.69,2947.99
  Top Layer w65: DCNCF1.C7@8253.78,2918.5 DCNCF1.B7@8353.78,2918.5 DCNCF1.A7@8453.78,2918.5
  other v1: 7767,2904 7801,2904